# KiCad board reg.kicad_pcb (continued)
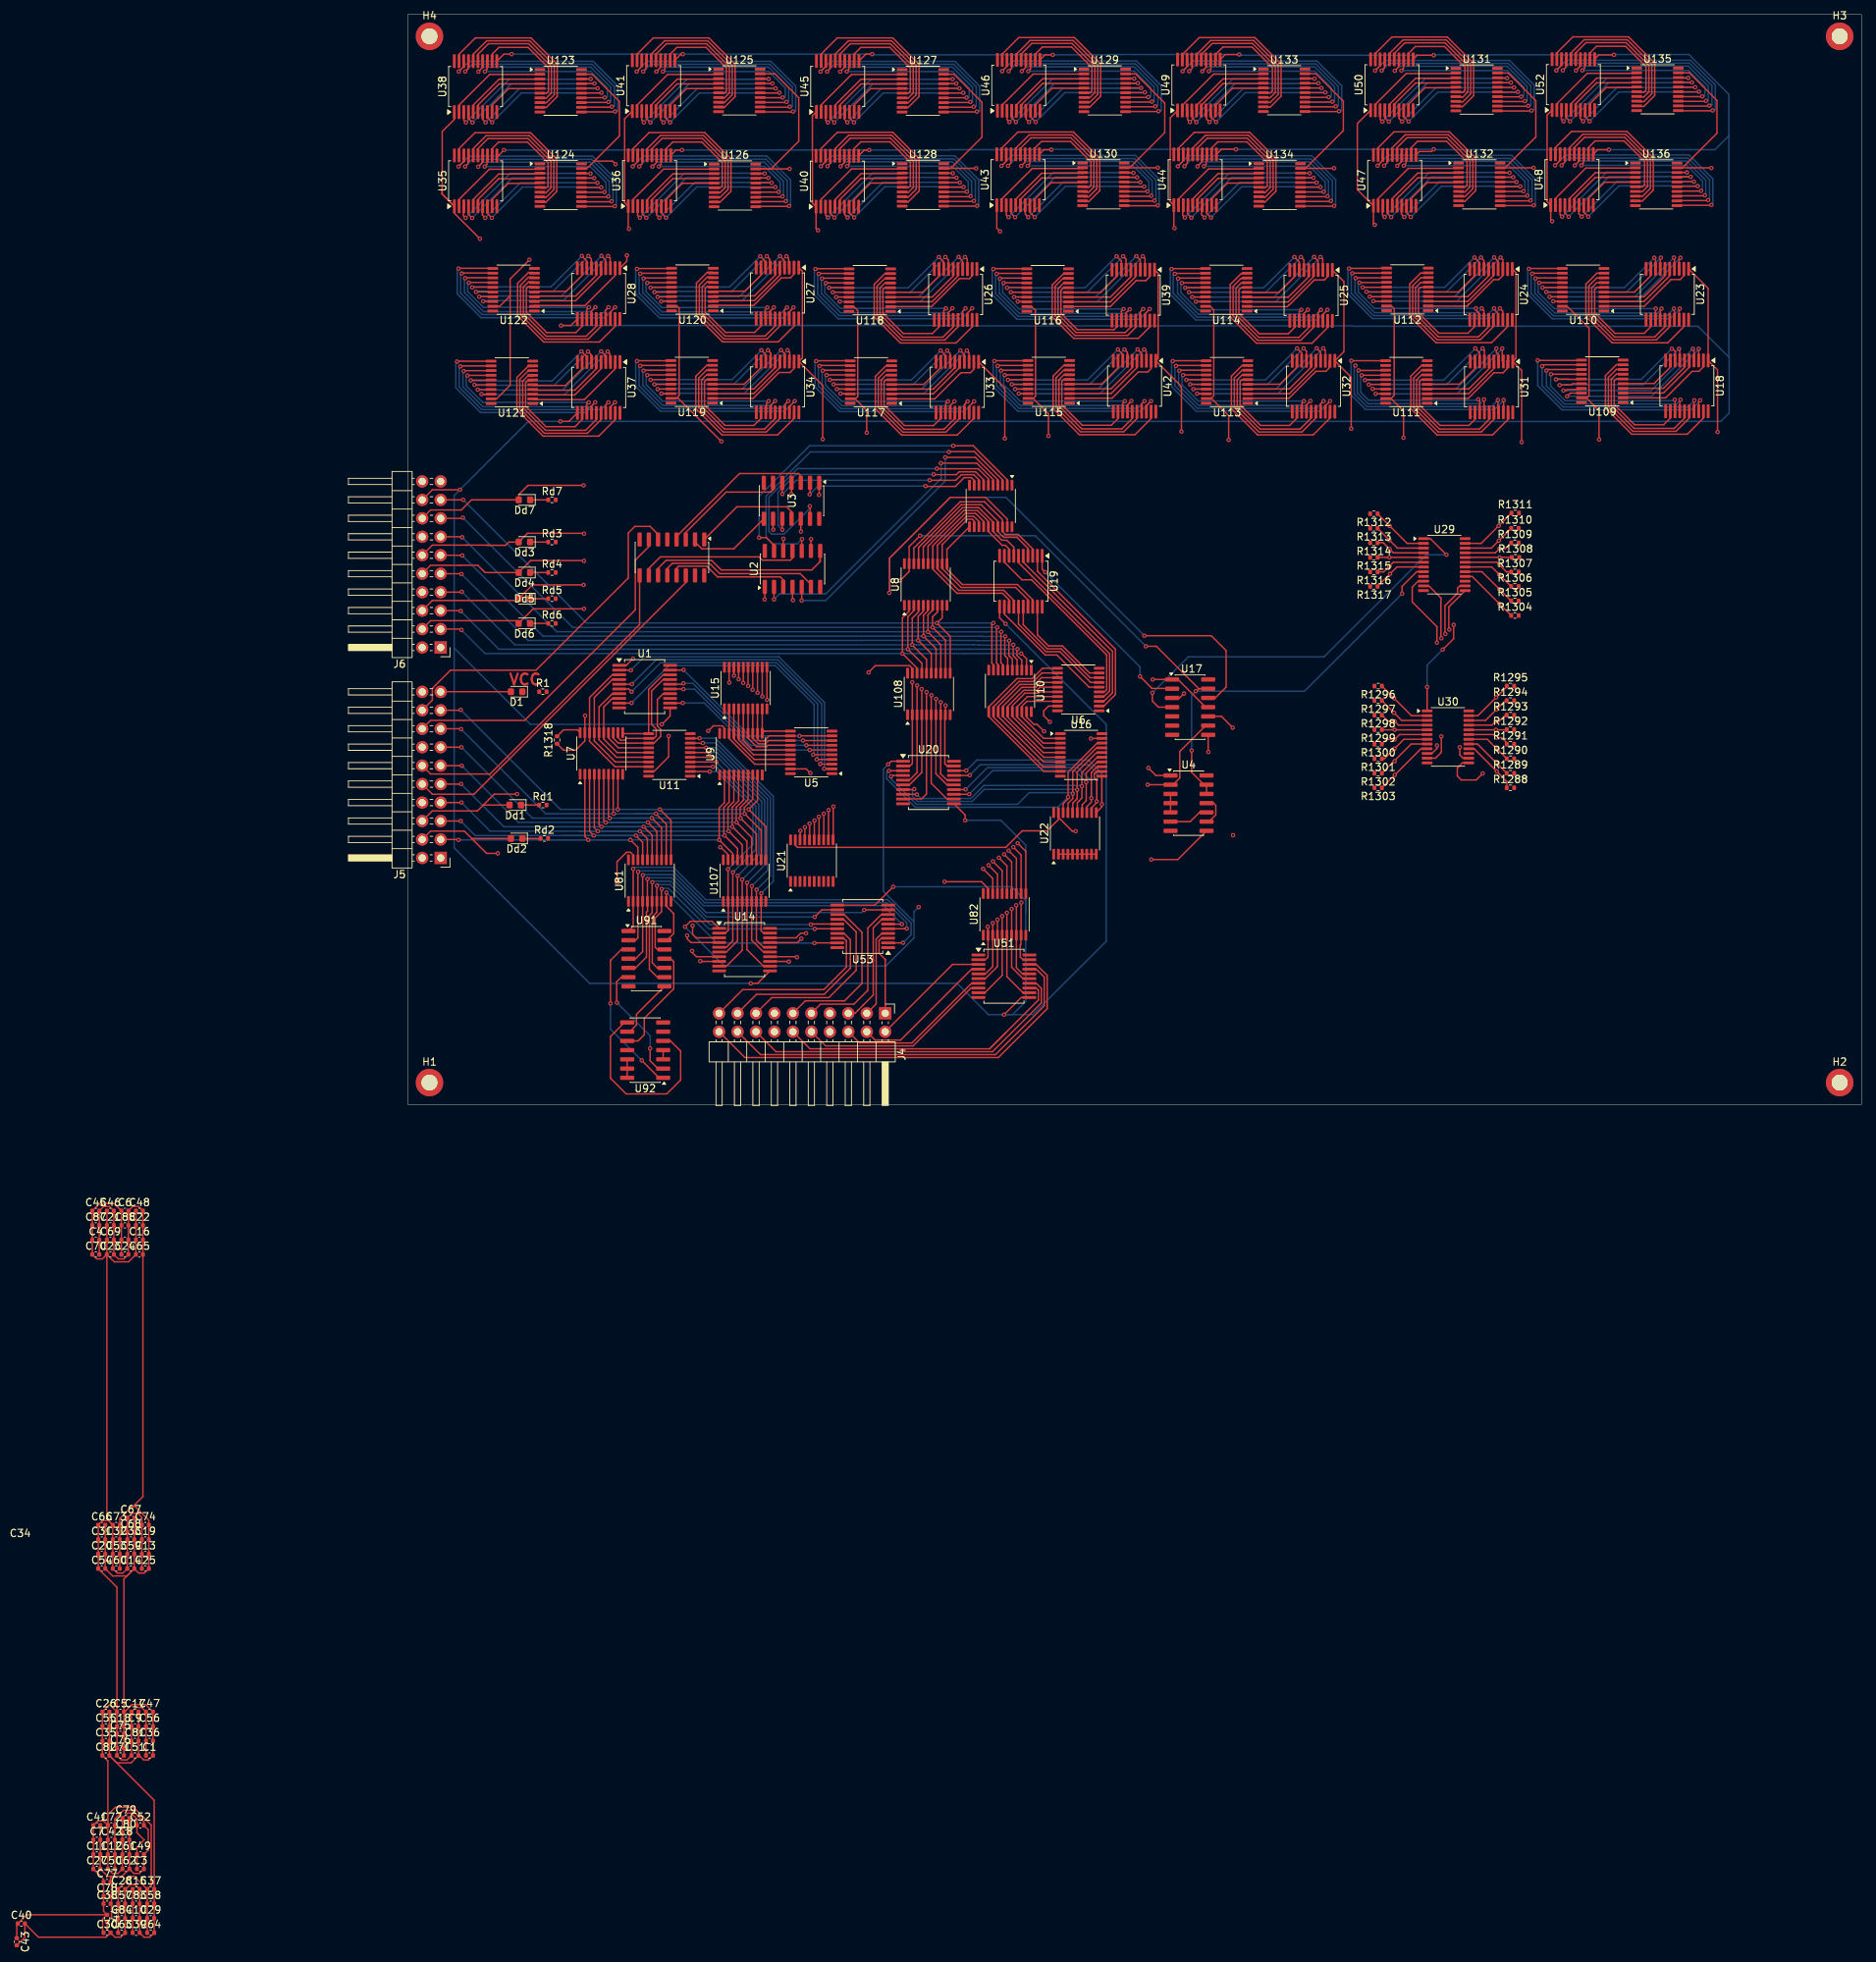
[diagram p0: board, top side]
## Footprints (pads in the part's own frame, mm; a bottom-side part is the same pattern mirrored in y, then rotated)
C_0402_1005Metric
  rrect 0.56x0.62 smd: 1(-0.48,0) 2(0.48,0)
D_0603_1608Metric
  rrect 0.875x0.95 smd: 1(-0.787,0) 2(0.787,0)
LED_0603_1608Metric
  rrect 0.875x0.95 smd: 1(-0.787,0) 2(0.787,0)
MountingHole_2.2mm_M2_DIN965_Pad
  round 3.8 hole 2.2: 1(0,0)
PinHeader_2x10_P2.54mm_Horizontal
  rect 1.7x1.7 hole 1: 1(0,0)
  round 1.7 hole 1: 2(2.54,0) 3(0,-2.54) 4(2.54,-2.54) 5(0,-5.08) 6(2.54,-5.08) 7(0,-7.62) 8(2.54,-7.62) 9(0,-10.16) 10(2.54,-10.16) 11(0,-12.7) 12(2.54,-12.7) 13(0,-15.24) 14(2.54,-15.24) 15(0,-17.78) 16(2.54,-17.78) 17(0,-20.32) 18(2.54,-20.32) 19(0,-22.86) 20(2.54,-22.86)
R_0402_1005Metric
  rrect 0.54x0.64 smd: 1(-0.51,0) 2(0.51,0)
SO-14_3.9x8.65mm_P1.27mm
  rrect 1.95x0.6 smd: 1(-2.475,3.81) 2(-2.475,2.54) 3(-2.475,1.27) 4(-2.475,0) 5(-2.475,-1.27) 6(-2.475,-2.54) 7(-2.475,-3.81) 8(2.475,-3.81) 9(2.475,-2.54) 10(2.475,-1.27) 11(2.475,0) 12(2.475,1.27) 13(2.475,2.54) 14(2.475,3.81)
SOIC-16_3.9x9.9mm_P1.27mm
  rrect 1.95x0.6 smd: 1(-2.475,4.445) 2(-2.475,3.175) 3(-2.475,1.905) 4(-2.475,0.635) 5(-2.475,-0.635) 6(-2.475,-1.905) 7(-2.475,-3.175) 8(-2.475,-4.445) 9(2.475,-4.445) 10(2.475,-3.175) 11(2.475,-1.905) 12(2.475,-0.635) 13(2.475,0.635) 14(2.475,1.905) 15(2.475,3.175) 16(2.475,4.445)
SSOP-20_5.3x7.2mm_P0.65mm
  rrect 1.9x0.4 smd: 1(-3.5,2.925) 2(-3.5,2.275) 3(-3.5,1.625) 4(-3.5,0.975) 5(-3.5,0.325) 6(-3.5,-0.325) 7(-3.5,-0.975) 8(-3.5,-1.625) 9(-3.5,-2.275) 10(-3.5,-2.925) 11(3.5,-2.925) 12(3.5,-2.275) 13(3.5,-1.625) 14(3.5,-0.975) 15(3.5,-0.325) 16(3.5,0.325) 17(3.5,0.975) 18(3.5,1.625) 19(3.5,2.275) 20(3.5,2.925)
TSSOP-20_4.4x6.5mm_P0.65mm
  rrect 1.475x0.4 smd: 1(-2.862,2.925) 2(-2.862,2.275) 3(-2.862,1.625) 4(-2.862,0.975) 5(-2.862,0.325) 6(-2.862,-0.325) 7(-2.862,-0.975) 8(-2.862,-1.625) 9(-2.862,-2.275) 10(-2.862,-2.925) 11(2.862,-2.925) 12(2.862,-2.275) 13(2.862,-1.625) 14(2.862,-0.975) 15(2.862,-0.325) 16(2.862,0.325) 17(2.862,0.975) 18(2.862,1.625) 19(2.862,2.275) 20(2.862,2.925)
TSSOP-24_4.4x7.8mm_P0.65mm
  rrect 1.475x0.4 smd: 1(-2.862,3.575) 2(-2.862,2.925) 3(-2.862,2.275) 4(-2.862,1.625) 5(-2.862,0.975) 6(-2.862,0.325) 7(-2.862,-0.325) 8(-2.862,-0.975) 9(-2.862,-1.625) 10(-2.862,-2.275) 11(-2.862,-2.925) 12(-2.862,-3.575) 13(2.862,-3.575) 14(2.862,-2.925) 15(2.862,-2.275) 16(2.862,-1.625) 17(2.862,-0.975) 18(2.862,-0.325) 19(2.862,0.325) 20(2.862,0.975) 21(2.862,1.625) 22(2.862,2.275) 23(2.862,2.925) 24(2.862,3.575)

## Nets
+5V: C1.1 C3.1 C4.1 C5.1 C6.1 C7.1 C8.1 C9.1 C10.1 C11.1 C12.1 C13.1 C14.1 C15.1 C16.1 C17.1 C18.1 C19.1 C20.1 C21.1 C22.1 C23.1 C24.1 C25.1 C26.1 C27.1 C28.1 C29.1 C30.1 C31.1 C32.1 C33.1 C34.1 C35.1 C36.1 C37.1 C38.1 C39.1 C40.1 C41.1 C42.1 C43.1 C44.1 C45.1 C46.1 C47.1 C48.1 C49.1 C50.1 C51.1 C52.1 C53.1 C54.1 C55.1 C56.1 C57.1 C58.1 C59.1 C60.1 C61.1 C62.1 C63.1 C64.1 C65.1 C66.1 C67.1 C68.1 C69.1 C70.1 C71.1 C72.1 C73.1 C74.1 C75.1 C76.1 C77.1 C78.1 C79.1 C80.1 C81.1 C82.1 C83.1 C84.1 C87.1 C88.1 D1.2 J5.1 J5.19 J6.1 J6.19 R1288.2 R1289.2 R1290.2 R1291.2 R1292.2 R1293.2 R1294.2 R1295.2 R1296.2 R1297.2 R1298.2 R1299.2 R1300.2 R1301.2 R1302.2 R1303.2 R1304.2 R1305.2 R1306.2 R1307.2 R1308.2 R1309.2 R1310.2 R1311.2 R1312.2 R1313.2 R1314.2 R1315.2 R1316.2 R1317.2 R1318.2 U1.20 U2.14 U3.14 U4.14 U5.1 U5.20 U6.1 U6.20 U7.1 U7.20 U8.1 U8.20 U9.1 U9.20 U10.1 U10.20 U11.1 U11.20 U12.1 U12.20 U14.20 U15.1 U15.20 U16.1 U16.20 U17.5 U17.14 U18.20 U19.20 U20.20 U21.1 U21.20 U22.1 U22.20 U23.20 U24.20 U25.20 U26.20 U27.20 U28.20 U29.15 U29.24 U30.15 U30.24 U31.20 U32.20 U33.20 U34.20 U35.20 U36.20 U37.20 U38.20 U39.20 U40.20 U41.20 U42.20 U43.20 U44.20 U45.20 U46.20 U47.20 U48.20 U49.20 U50.20 U51.20 U52.20 U53.20 U81.1 U81.20 U82.1 U82.20 U85.16 U91.14 U92.12 U92.13 U92.14 U107.1 U107.20 U108.1 U108.20 U109.1 U109.20 U110.1 U110.20 U111.1 U111.20 U112.1 U112.20 U113.1 U113.20 U114.1 U114.20 U115.1 U115.20 U116.1 U116.20 U117.1 U117.20 U118.1 U118.20 U119.1 U119.20 U120.1 U120.20 U121.1 U121.20 U122.1 U122.20 U123.1 U123.20 U124.1 U124.20 U125.1 U125.20 U126.1 U126.20 U127.1 U127.20 U128.1 U128.20 U129.1 U129.20 U130.1 U130.20 U131.1 U131.20 U132.1 U132.20 U133.1 U133.20 U134.1 U134.20 U135.1 U135.20 U136.1 U136.20
GND: C1.2 C3.2 C4.2 C5.2 C6.2 C7.2 C8.2 C9.2 C10.2 C11.2 C12.2 C13.2 C14.2 C15.2 C16.2 C17.2 C18.2 C19.2 C20.2 C21.2 C22.2 C23.2 C24.2 C25.2 C26.2 C27.2 C28.2 C29.2 C30.2 C31.2 C32.2 C33.2 C34.2 C35.2 C36.2 C37.2 C38.2 C39.2 C40.2 C41.2 C42.2 C43.2 C44.2 C45.2 C46.2 C47.2 C48.2 C49.2 C50.2 C51.2 C52.2 C53.2 C54.2 C55.2 C56.2 C57.2 C58.2 C59.2 C60.2 C61.2 C62.2 C63.2 C64.2 C65.2 C66.2 C67.2 C68.2 C69.2 C70.2 C71.2 C72.2 C73.2 C74.2 C75.2 C76.2 C77.2 C78.2 C79.2 C80.2 C81.2 C82.2 C83.2 C84.2 C87.2 C88.2 H1.1 H2.1 H3.1 H4.1 J4.7 J4.8 J4.13 J4.14 J5.2 J5.8 J5.14 J5.20 J6.2 J6.8 J6.14 J6.20 R1.2 Rd1.2 Rd2.2 Rd3.2 Rd4.2 Rd5.2 Rd6.2 Rd7.2 U1.10 U2.7 U3.7 U4.7 U5.10 U6.10 U7.10 U8.10 U9.10 U10.10 U11.10 U12.10 U14.10 U15.10 U16.10 U17.7 U18.10 U19.10 U20.10 U21.2 U21.3 U21.4 U21.5 U21.6 U21.7 U21.8 U21.9 U21.10 U22.2 U22.3 U22.4 U22.5 U22.6 U22.7 U22.8 U22.9 U22.10 U23.10 U24.10 U25.10 U26.10 U27.10 U28.10 U29.12 U30.12 U31.10 U32.10 U33.10 U34.10 U35.10 U36.10 U37.10 U38.10 U39.10 U40.10 U41.10 U42.10 U43.10 U44.10 U45.10 U46.10 U47.10 U48.10 U49.10 U50.10 U51.1 U51.10 U52.10 U53.1 U53.10 U81.10 U82.10 U85.5 U85.8 U91.7 U92.7 U107.10 U108.10 U109.10 U110.10 U111.10 U112.10 U113.10 U114.10 U115.10 U116.10 U117.10 U118.10 U119.10 U120.10 U121.10 U122.10 U123.10 U124.10 U125.10 U126.10 U127.10 U128.10 U129.10 U130.10 U131.10 U132.10 U133.10 U134.10 U135.10 U136.10
/16 bit buffor3/n0E2: U5.19 U6.19 U17.8
/16 bit buffor21/OUT0: U5.18 U9.18 U15.2
/16 bit buffor21/OUT1: U5.17 U9.17 U15.3
/16 bit buffor21/OUT2: U5.16 U9.16 U15.4
/16 bit buffor21/OUT3: U5.15 U9.15 U15.5
/16 bit buffor21/OUT4: U5.14 U9.14 U15.6
/16 bit buffor21/OUT5: U5.13 U9.13 U15.7
/16 bit buffor21/OUT6: U5.12 U9.12 U15.8
/16 bit buffor21/OUT7: U5.11 U9.11 U15.9
/16 bit buffor21/OUT8: U6.18 U10.18 U16.2
/16 bit buffor21/OUT9: U6.17 U10.17 U16.3
/16 bit buffor21/OUT10: U6.16 U10.16 U16.4
/16 bit buffor21/OUT11: U6.15 U10.15 U16.5
/16 bit buffor21/OUT12: U6.14 U10.14 U16.6
/16 bit buffor21/OUT13: U6.13 U10.13 U16.7
/16 bit buffor21/OUT14: U6.12 U10.12 U16.8
/16 bit buffor21/OUT15: U6.11 U10.11 U16.9
/16 bit buffor23/n0E2: U11.19 U12.19 U17.12
/16 bit buffor23/OUT0: U1.3 U7.18 U11.18
/16 bit buffor23/OUT1: U1.4 U7.17 U11.17
/16 bit buffor23/OUT2: U1.7 U7.16 U11.16
/16 bit buffor23/OUT3: U1.8 U7.15 U11.15
/16 bit buffor23/OUT4: U1.13 U7.14 U11.14
/16 bit buffor23/OUT5: U1.14 U7.13 U11.13
/16 bit buffor23/OUT6: U1.17 U7.12 U11.12
/16 bit buffor23/OUT7: U1.18 U7.11 U11.11
/16 bit buffor23/OUT8: U8.18 U12.18 U19.3
/16 bit buffor23/OUT9: U8.17 U12.17 U19.4
/16 bit buffor23/OUT10: U8.16 U12.16 U19.7
/16 bit buffor23/OUT11: U8.15 U12.15 U19.8
/16 bit buffor23/OUT12: U8.14 U12.14 U19.13
/16 bit buffor23/OUT13: U8.13 U12.13 U19.14
/16 bit buffor23/OUT14: U8.12 U12.12 U19.17
/16 bit buffor23/OUT15: U8.11 U12.11 U19.18
/16 bit buffor25/OUT0: U14.3 U15.18 U21.18
/16 bit buffor25/OUT1: U14.4 U15.17 U21.17
/16 bit buffor25/OUT2: U14.7 U15.16 U21.16
/16 bit buffor25/OUT3: U14.8 U15.15 U21.15
/16 bit buffor25/OUT4: U14.13 U15.14 U21.14
/16 bit buffor25/OUT5: U14.14 U15.13 U21.13
/16 bit buffor25/OUT6: U14.17 U15.12 U21.12
/16 bit buffor25/OUT7: U14.18 U15.11 U21.11
/16 bit buffor25/OUT8: U16.18 U20.3 U22.18
/16 bit buffor25/OUT9: U16.17 U20.4 U22.17
/16 bit buffor25/OUT10: U16.16 U20.7 U22.16
/16 bit buffor25/OUT11: U16.15 U20.8 U22.15
/16 bit buffor25/OUT12: U16.14 U20.13 U22.14
/16 bit buffor25/OUT13: U16.13 U20.14 U22.13
/16 bit buffor25/OUT14: U16.12 U20.17 U22.12
/16 bit buffor25/OUT15: U16.11 U20.18 U22.11
/16 bit buffor26/n0E2: U17.10 U21.19 U22.19
/16 bit buffor28/IN_1_0: U18.2 U109.2
/16 bit buffor28/IN_1_1: U18.5 U109.3
/16 bit buffor28/IN_1_2: U18.6 U109.4
/16 bit buffor28/IN_1_3: U18.9 U109.5
/16 bit buffor28/IN_1_4: U18.12 U109.6
/16 bit buffor28/IN_1_5: U18.15 U109.7
/16 bit buffor28/IN_1_6: U18.16 U109.8
/16 bit buffor28/IN_1_7: U18.19 U109.9
/16 bit buffor28/IN_1_8: U23.2 U110.2
/16 bit buffor28/IN_1_9: U23.5 U110.3
/16 bit buffor28/IN_1_10: U23.6 U110.4
/16 bit buffor28/IN_1_11: U23.9 U110.5
/16 bit buffor28/IN_1_12: U23.12 U110.6
/16 bit buffor28/IN_1_13: U23.15 U110.7
/16 bit buffor28/IN_1_14: U23.16 U110.8
/16 bit buffor28/IN_1_15: U23.19 U110.9
/16 bit buffor29/IN_1_0: U31.2 U111.2
/16 bit buffor29/IN_1_1: U31.5 U111.3
/16 bit buffor29/IN_1_2: U31.6 U111.4
/16 bit buffor29/IN_1_3: U31.9 U111.5
/16 bit buffor29/IN_1_4: U31.12 U111.6
/16 bit buffor29/IN_1_5: U31.15 U111.7
/16 bit buffor29/IN_1_6: U31.16 U111.8
/16 bit buffor29/IN_1_7: U31.19 U111.9
/16 bit buffor29/IN_1_8: U24.2 U112.2
/16 bit buffor29/IN_1_9: U24.5 U112.3
/16 bit buffor29/IN_1_10: U24.6 U112.4
/16 bit buffor29/IN_1_11: U24.9 U112.5
/16 bit buffor29/IN_1_12: U24.12 U112.6
/16 bit buffor29/IN_1_13: U24.15 U112.7
/16 bit buffor29/IN_1_14: U24.16 U112.8
/16 bit buffor29/IN_1_15: U24.19 U112.9
/16 bit buffor30/IN_1_0: U32.2 U113.2
/16 bit buffor30/IN_1_1: U32.5 U113.3
/16 bit buffor30/IN_1_2: U32.6 U113.4
/16 bit buffor30/IN_1_3: U32.9 U113.5
/16 bit buffor30/IN_1_4: U32.12 U113.6
/16 bit buffor30/IN_1_5: U32.15 U113.7
/16 bit buffor30/IN_1_6: U32.16 U113.8
/16 bit buffor30/IN_1_7: U32.19 U113.9
/16 bit buffor30/IN_1_8: U25.2 U114.2
/16 bit buffor30/IN_1_9: U25.5 U114.3
/16 bit buffor30/IN_1_10: U25.6 U114.4
/16 bit buffor30/IN_1_11: U25.9 U114.5
/16 bit buffor30/IN_1_12: U25.12 U114.6
/16 bit buffor30/IN_1_13: U25.15 U114.7
/16 bit buffor30/IN_1_14: U25.16 U114.8
/16 bit buffor30/IN_1_15: U25.19 U114.9
/16 bit buffor31/IN_1_0: U42.2 U115.2
/16 bit buffor31/IN_1_1: U42.5 U115.3
/16 bit buffor31/IN_1_2: U42.6 U115.4
/16 bit buffor31/IN_1_3: U42.9 U115.5
/16 bit buffor31/IN_1_4: U42.12 U115.6
/16 bit buffor31/IN_1_5: U42.15 U115.7
/16 bit buffor31/IN_1_6: U42.16 U115.8
/16 bit buffor31/IN_1_7: U42.19 U115.9
/16 bit buffor31/IN_1_8: U39.2 U116.2
/16 bit buffor31/IN_1_9: U39.5 U116.3
/16 bit buffor31/IN_1_10: U39.6 U116.4
/16 bit buffor31/IN_1_11: U39.9 U116.5
/16 bit buffor31/IN_1_12: U39.12 U116.6
/16 bit buffor31/IN_1_13: U39.15 U116.7
/16 bit buffor31/IN_1_14: U39.16 U116.8
/16 bit buffor31/IN_1_15: U39.19 U116.9
/16 bit buffor32/IN_1_0: U33.2 U117.2
/16 bit buffor32/IN_1_1: U33.5 U117.3
/16 bit buffor32/IN_1_2: U33.6 U117.4
/16 bit buffor32/IN_1_3: U33.9 U117.5
/16 bit buffor32/IN_1_4: U33.12 U117.6
/16 bit buffor32/IN_1_5: U33.15 U117.7
/16 bit buffor32/IN_1_6: U33.16 U117.8
/16 bit buffor32/IN_1_7: U33.19 U117.9
/16 bit buffor32/IN_1_8: U26.2 U118.2
/16 bit buffor32/IN_1_9: U26.5 U118.3
/16 bit buffor32/IN_1_10: U26.6 U118.4
/16 bit buffor32/IN_1_11: U26.9 U118.5
/16 bit buffor32/IN_1_12: U26.12 U118.6
/16 bit buffor32/IN_1_13: U26.15 U118.7
/16 bit buffor32/IN_1_14: U26.16 U118.8
/16 bit buffor32/IN_1_15: U26.19 U118.9
/16 bit buffor33/IN_1_0: U34.2 U119.2
/16 bit buffor33/IN_1_1: U34.5 U119.3
/16 bit buffor33/IN_1_2: U34.6 U119.4
/16 bit buffor33/IN_1_3: U34.9 U119.5
/16 bit buffor33/IN_1_4: U34.12 U119.6
/16 bit buffor33/IN_1_5: U34.15 U119.7
/16 bit buffor33/IN_1_6: U34.16 U119.8
/16 bit buffor33/IN_1_7: U34.19 U119.9
/16 bit buffor33/IN_1_8: U27.2 U120.2
/16 bit buffor33/IN_1_9: U27.5 U120.3
/16 bit buffor33/IN_1_10: U27.6 U120.4
/16 bit buffor33/IN_1_11: U27.9 U120.5
/16 bit buffor33/IN_1_12: U27.12 U120.6
/16 bit buffor33/IN_1_13: U27.15 U120.7
/16 bit buffor33/IN_1_14: U27.16 U120.8
/16 bit buffor33/IN_1_15: U27.19 U120.9
/16 bit buffor34/IN_1_0: U37.2 U121.2
/16 bit buffor34/IN_1_1: U37.5 U121.3
/16 bit buffor34/IN_1_2: U37.6 U121.4
/16 bit buffor34/IN_1_3: U37.9 U121.5
/16 bit buffor34/IN_1_4: U37.12 U121.6
/16 bit buffor34/IN_1_5: U37.15 U121.7
/16 bit buffor34/IN_1_6: U37.16 U121.8
/16 bit buffor34/IN_1_7: U37.19 U121.9
/16 bit buffor34/IN_1_8: U28.2 U122.2
/16 bit buffor34/IN_1_9: U28.5 U122.3
/16 bit buffor34/IN_1_10: U28.6 U122.4
/16 bit buffor34/IN_1_11: U28.9 U122.5
/16 bit buffor34/IN_1_12: U28.12 U122.6
/16 bit buffor34/IN_1_13: U28.15 U122.7
/16 bit buffor34/IN_1_14: U28.16 U122.8
/16 bit buffor34/IN_1_15: U28.19 U122.9
/16 bit buffor35/IN_1_0: U38.2 U123.2
/16 bit buffor35/IN_1_1: U38.5 U123.3
/16 bit buffor35/IN_1_2: U38.6 U123.4
/16 bit buffor35/IN_1_3: U38.9 U123.5
/16 bit buffor35/IN_1_4: U38.12 U123.6
/16 bit buffor35/IN_1_5: U38.15 U123.7
/16 bit buffor35/IN_1_6: U38.16 U123.8
/16 bit buffor35/IN_1_7: U38.19 U123.9
/16 bit buffor35/IN_1_8: U35.2 U124.2
/16 bit buffor35/IN_1_9: U35.5 U124.3
/16 bit buffor35/IN_1_10: U35.6 U124.4
/16 bit buffor35/IN_1_11: U35.9 U124.5
/16 bit buffor35/IN_1_12: U35.12 U124.6
/16 bit buffor35/IN_1_13: U35.15 U124.7
/16 bit buffor35/IN_1_14: U35.16 U124.8
/16 bit buffor35/IN_1_15: U35.19 U124.9
/16 bit buffor36/IN_1_0: U41.2 U125.2
/16 bit buffor36/IN_1_1: U41.5 U125.3
/16 bit buffor36/IN_1_2: U41.6 U125.4
/16 bit buffor36/IN_1_3: U41.9 U125.5
/16 bit buffor36/IN_1_4: U41.12 U125.6
/16 bit buffor36/IN_1_5: U41.15 U125.7
/16 bit buffor36/IN_1_6: U41.16 U125.8
/16 bit buffor36/IN_1_7: U41.19 U125.9
/16 bit buffor36/IN_1_8: U36.2 U126.2
/16 bit buffor36/IN_1_9: U36.5 U126.3
/16 bit buffor36/IN_1_10: U36.6 U126.4
/16 bit buffor36/IN_1_11: U36.9 U126.5
/16 bit buffor36/IN_1_12: U36.12 U126.6
/16 bit buffor36/IN_1_13: U36.15 U126.7
/16 bit buffor36/IN_1_14: U36.16 U126.8
/16 bit buffor36/IN_1_15: U36.19 U126.9
/16 bit buffor37/IN_1_0: U45.2 U127.2
/16 bit buffor37/IN_1_1: U45.5 U127.3
/16 bit buffor37/IN_1_2: U45.6 U127.4
/16 bit buffor37/IN_1_3: U45.9 U127.5
/16 bit buffor37/IN_1_4: U45.12 U127.6
/16 bit buffor37/IN_1_5: U45.15 U127.7
/16 bit buffor37/IN_1_6: U45.16 U127.8
/16 bit buffor37/IN_1_7: U45.19 U127.9
/16 bit buffor37/IN_1_8: U40.2 U128.2
/16 bit buffor37/IN_1_9: U40.5 U128.3
/16 bit buffor37/IN_1_10: U40.6 U128.4
/16 bit buffor37/IN_1_11: U40.9 U128.5
/16 bit buffor37/IN_1_12: U40.12 U128.6
/16 bit buffor37/IN_1_13: U40.15 U128.7
/16 bit buffor37/IN_1_14: U40.16 U128.8
/16 bit buffor37/IN_1_15: U40.19 U128.9
/16 bit buffor38/IN_1_0: U46.2 U129.2
/16 bit buffor38/IN_1_1: U46.5 U129.3
/16 bit buffor38/IN_1_2: U46.6 U129.4
/16 bit buffor38/IN_1_3: U46.9 U129.5
/16 bit buffor38/IN_1_4: U46.12 U129.6
/16 bit buffor38/IN_1_5: U46.15 U129.7
/16 bit buffor38/IN_1_6: U46.16 U129.8
/16 bit buffor38/IN_1_7: U46.19 U129.9
/16 bit buffor38/IN_1_8: U43.2 U130.2
/16 bit buffor38/IN_1_9: U43.5 U130.3
/16 bit buffor38/IN_1_10: U43.6 U130.4
/16 bit buffor38/IN_1_11: U43.9 U130.5
/16 bit buffor38/IN_1_12: U43.12 U130.6
/16 bit buffor38/IN_1_13: U43.15 U130.7
/16 bit buffor38/IN_1_14: U43.16 U130.8
/16 bit buffor38/IN_1_15: U43.19 U130.9
/16 bit buffor39/IN_1_0: U50.2 U131.2
/16 bit buffor39/IN_1_1: U50.5 U131.3
/16 bit buffor39/IN_1_2: U50.6 U131.4
/16 bit buffor39/IN_1_3: U50.9 U131.5
/16 bit buffor39/IN_1_4: U50.12 U131.6
/16 bit buffor39/IN_1_5: U50.15 U131.7
/16 bit buffor39/IN_1_6: U50.16 U131.8
/16 bit buffor39/IN_1_7: U50.19 U131.9
/16 bit buffor39/IN_1_8: U47.2 U132.2
/16 bit buffor39/IN_1_9: U47.5 U132.3
/16 bit buffor39/IN_1_10: U47.6 U132.4
/16 bit buffor39/IN_1_11: U47.9 U132.5
/16 bit buffor39/IN_1_12: U47.12 U132.6
/16 bit buffor39/IN_1_13: U47.15 U132.7
/16 bit buffor39/IN_1_14: U47.16 U132.8
/16 bit buffor39/IN_1_15: U47.19 U132.9
/16 bit buffor40/IN_1_0: U49.2 U133.2
/16 bit buffor40/IN_1_1: U49.5 U133.3
/16 bit buffor40/IN_1_2: U49.6 U133.4
/16 bit buffor40/IN_1_3: U49.9 U133.5
/16 bit buffor40/IN_1_4: U49.12 U133.6
/16 bit buffor40/IN_1_5: U49.15 U133.7
/16 bit buffor40/IN_1_6: U49.16 U133.8
/16 bit buffor40/IN_1_7: U49.19 U133.9
/16 bit buffor40/IN_1_8: U44.2 U134.2
/16 bit buffor40/IN_1_9: U44.5 U134.3
/16 bit buffor40/IN_1_10: U44.6 U134.4
/16 bit buffor40/IN_1_11: U44.9 U134.5
/16 bit buffor40/IN_1_12: U44.12 U134.6
/16 bit buffor40/IN_1_13: U44.15 U134.7
/16 bit buffor40/IN_1_14: U44.16 U134.8
/16 bit buffor40/IN_1_15: U44.19 U134.9
/16 bit buffor41/IN_1_0: U52.2 U135.2
/16 bit buffor41/IN_1_1: U52.5 U135.3
/16 bit buffor41/IN_1_2: U52.6 U135.4
/16 bit buffor41/IN_1_3: U52.9 U135.5
/16 bit buffor41/IN_1_4: U52.12 U135.6
/16 bit buffor41/IN_1_5: U52.15 U135.7
/16 bit buffor41/IN_1_6: U52.16 U135.8
/16 bit buffor41/IN_1_7: U52.19 U135.9
/16 bit buffor41/IN_1_8: U48.2 U136.2
/16 bit buffor41/IN_1_9: U48.5 U136.3
/16 bit buffor41/IN_1_10: U48.6 U136.4
/16 bit buffor41/IN_1_11: U48.9 U136.5
/16 bit buffor41/IN_1_12: U48.12 U136.6
/16 bit buffor41/IN_1_13: U48.15 U136.7
/16 bit buffor41/IN_1_14: U48.16 U136.8
/16 bit buffor41/IN_1_15: U48.19 U136.9
/16 bit register17/nWE: U4.8 U14.1 U20.1
/16 bit register18/nWE: U1.1 U17.2 U19.1
/busy: U92.6
/clk: J6.18 U1.11 U14.11 U18.11 U19.11 U20.11 U23.11 U24.11 U25.11 U26.11 U27.11 U28.11 U31.11 U32.11 U33.11 U34.11 U35.11 U36.11 U37.11 U38.11 U39.11 U40.11 U41.11 U42.11 U43.11 U44.11 U45.11 U46.11 U47.11 U48.11 U49.11 U50.11 U51.11 U52.11 U53.11
/data0: J5.3 U7.2 U9.2 U18.3 U31.3 U32.3 U33.3 U34.3 U37.3 U38.3 U41.3 U42.3 U45.3 U46.3 U49.3 U50.3 U52.3 U81.18 U107.18 U109.18 U111.18 U113.18 U115.18 U117.18 U119.18 U121.18 U123.18 U125.18 U127.18 U129.18 U131.18 U133.18 U135.18
/data1: J5.5 U7.3 U9.3 U18.4 U31.4 U32.4 U33.4 U34.4 U37.4 U38.4 U41.4 U42.4 U45.4 U46.4 U49.4 U50.4 U52.4 U81.17 U107.17 U109.17 U111.17 U113.17 U115.17 U117.17 U119.17 U121.17 U123.17 U125.17 U127.17 U129.17 U131.17 U133.17 U135.17
/data2: J5.7 U7.4 U9.4 U18.7 U31.7 U32.7 U33.7 U34.7 U37.7 U38.7 U41.7 U42.7 U45.7 U46.7 U49.7 U50.7 U52.7 U81.16 U107.16 U109.16 U111.16 U113.16 U115.16 U117.16 U119.16 U121.16 U123.16 U125.16 U127.16 U129.16 U131.16 U133.16 U135.16
/data3: J5.9 U7.5 U9.5 U18.8 U31.8 U32.8 U33.8 U34.8 U37.8 U38.8 U41.8 U42.8 U45.8 U46.8 U49.8 U50.8 U52.8 U81.15 U107.15 U109.15 U111.15 U113.15 U115.15 U117.15 U119.15 U121.15 U123.15 U125.15 U127.15 U129.15 U131.15 U133.15 U135.15
/data4: J5.11 U7.6 U9.6 U18.13 U31.13 U32.13 U33.13 U34.13 U37.13 U38.13 U41.13 U42.13 U45.13 U46.13 U49.13 U50.13 U52.13 U81.14 U107.14 U109.14 U111.14 U113.14 U115.14 U117.14 U119.14 U121.14 U123.14 U125.14 U127.14 U129.14 U131.14 U133.14 U135.14
/data5: J5.13 U7.7 U9.7 U18.14 U31.14 U32.14 U33.14 U34.14 U37.14 U38.14 U41.14 U42.14 U45.14 U46.14 U49.14 U50.14 U52.14 U81.13 U107.13 U109.13 U111.13 U113.13 U115.13 U117.13 U119.13 U121.13 U123.13 U125.13 U127.13 U129.13 U131.13 U133.13 U135.13
/data6: J5.15 U7.8 U9.8 U18.17 U31.17 U32.17 U33.17 U34.17 U37.17 U38.17 U41.17 U42.17 U45.17 U46.17 U49.17 U50.17 U52.17 U81.12 U107.12 U109.12 U111.12 U113.12 U115.12 U117.12 U119.12 U121.12 U123.12 U125.12 U127.12 U129.12 U131.12 U133.12 U135.12
/data7: J5.17 U7.9 U9.9 U18.18 U31.18 U32.18 U33.18 U34.18 U37.18 U38.18 U41.18 U42.18 U45.18 U46.18 U49.18 U50.18 U52.18 U81.11 U107.11 U109.11 U111.11 U113.11 U115.11 U117.11 U119.11 U121.11 U123.11 U125.11 U127.11 U129.11 U131.11 U133.11 U135.11
/data8: J6.3 U8.2 U10.2 U23.3 U24.3 U25.3 U26.3 U27.3 U28.3 U35.3 U36.3 U39.3 U40.3 U43.3 U44.3 U47.3 U48.3 U82.18 U108.18 U110.18 U112.18 U114.18 U116.18 U118.18 U120.18 U122.18 U124.18 U126.18 U128.18 U130.18 U132.18 U134.18 U136.18
/data9: J6.5 U8.3 U10.3 U23.4 U24.4 U25.4 U26.4 U27.4 U28.4 U35.4 U36.4 U39.4 U40.4 U43.4 U44.4 U47.4 U48.4 U82.17 U108.17 U110.17 U112.17 U114.17 U116.17 U118.17 U120.17 U122.17 U124.17 U126.17 U128.17 U130.17 U132.17 U134.17 U136.17
/data10: J6.7 U8.4 U10.4 U23.7 U24.7 U25.7 U26.7 U27.7 U28.7 U35.7 U36.7 U39.7 U40.7 U43.7 U44.7 U47.7 U48.7 U82.16 U108.16 U110.16 U112.16 U114.16 U116.16 U118.16 U120.16 U122.16 U124.16 U126.16 U128.16 U130.16 U132.16 U134.16 U136.16
/data11: J6.9 U8.5 U10.5 U23.8 U24.8 U25.8 U26.8 U27.8 U28.8 U35.8 U36.8 U39.8 U40.8 U43.8 U44.8 U47.8 U48.8 U82.15 U108.15 U110.15 U112.15 U114.15 U116.15 U118.15 U120.15 U122.15 U124.15 U126.15 U128.15 U130.15 U132.15 U134.15 U136.15
/data12: J6.11 U8.6 U10.6 U23.13 U24.13 U25.13 U26.13 U27.13 U28.13 U35.13 U36.13 U39.13 U40.13 U43.13 U44.13 U47.13 U48.13 U82.14 U108.14 U110.14 U112.14 U114.14 U116.14 U118.14 U120.14 U122.14 U124.14 U126.14 U128.14 U130.14 U132.14 U134.14 U136.14
/data13: J6.13 U8.7 U10.7 U23.14 U24.14 U25.14 U26.14 U27.14 U28.14 U35.14 U36.14 U39.14 U40.14 U43.14 U44.14 U47.14 U48.14 U82.13 U108.13 U110.13 U112.13 U114.13 U116.13 U118.13 U120.13 U122.13 U124.13 U126.13 U128.13 U130.13 U132.13 U134.13 U136.13
/data14: J6.15 U8.8 U10.8 U23.17 U24.17 U25.17 U26.17 U27.17 U28.17 U35.17 U36.17 U39.17 U40.17 U43.17 U44.17 U47.17 U48.17 U82.12 U108.12 U110.12 U112.12 U114.12 U116.12 U118.12 U120.12 U122.12 U124.12 U126.12 U128.12 U130.12 U132.12 U134.12 U136.12
/data15: J6.17 U8.9 U10.9 U23.18 U24.18 U25.18 U26.18 U27.18 U28.18 U35.18 U36.18 U39.18 U40.18 U43.18 U44.18 U47.18 U48.18 U82.11 U108.11 U110.11 U112.11 U114.11 U116.11 U118.11 U120.11 U122.11 U124.11 U126.11 U128.11 U130.11 U132.11 U134.11 U136.11
/ID_REG_SEL_0: Dd6.2 J6.4 U29.10 U30.10
/ID_REG_SEL_1: Dd5.2 J6.6 U29.11 U30.11
/ID_REG_SEL_2: Dd4.2 J6.10 U29.14 U30.14
/ID_REG_SEL_3: Dd3.2 J6.12 U29.13 U30.13
/INT: J5.10 U85.14
/Interupt_ID_0: J5.12 U85.9
/Interupt_ID_1: J5.16 U85.7
/Interupt_ID_2: J5.18 U85.6
/IO0: J4.1 U53.3
/IO1: J4.3 U53.4
/IO2: J4.5 U53.7
/IO3: J4.9 U53.8
/IO4: J4.11 U53.13
/IO5: J4.15 U53.14
/IO6: J4.17 U53.17
/IO7: J4.19 U53.18
/IO8: J4.2 U51.3
/IO9: J4.4 U51.4
/IO10: J4.6 U51.7
/IO11: J4.10 U51.8
/IO12: J4.12 U51.13
/IO13: J4.16 U51.14
/IO14: J4.18 U51.17
/IO15: J4.20 U51.18
/mask_restore: Dd2.2 J5.4 U4.2 U9.19 U10.19 U17.9
/mask_save: Dd1.2 J5.6 U4.1 U15.19 U16.19 U17.1 U17.11
/mask_saved0: U1.2 U5.2
/mask_saved1: U1.5 U5.3
/mask_saved2: U1.6 U5.4
/mask_saved3: U1.9 U5.5
/mask_saved4: U1.12 U5.6
/mask_saved5: U1.15 U5.7
/mask_saved6: U1.16 U5.8
/mask_saved7: U1.19 U5.9
/mask_saved8: U6.2 U19.2
/mask_saved9: U6.3 U19.5
/mask_saved10: U6.4 U19.6
/mask_saved11: U6.5 U19.9
/mask_saved12: U6.6 U19.12
/mask_saved13: U6.7 U19.15
/mask_saved14: U6.8 U19.16
/mask_saved15: U6.9 U19.19
/octal_nand/out_0: U2.11 U85.10
/octal_nand/out_1: U2.8 U85.11
/octal_nand/out_2: U2.6 U85.12
/octal_nand/out_3: U2.3 U85.13
/octal_nand/out_4: U3.11 U85.1
/octal_nand/out_5: U3.8 U85.2
/octal_nand/out_6: U3.6 U85.3
/octal_nand/out_7: U3.3 U85.4
/OUT_1_2: R1317.1 U18.1 U23.1 U29.7
/OUT_1_3: R1316.1 U24.1 U29.6 U31.1
/OUT_1_4: R1315.1 U25.1 U29.5 U32.1
/OUT_1_5: R1314.1 U29.4 U39.1 U42.1
/OUT_1_6: R1313.1 U26.1 U29.3 U33.1
/OUT_1_7: R1312.1 U27.1 U29.2 U34.1
/OUT_1_8: R1311.1 U28.1 U29.23 U37.1
/OUT_1_9: R1310.1 U29.22 U35.1 U38.1
/OUT_1_10: R1309.1 U29.21 U36.1 U41.1
/OUT_1_11: R1308.1 U29.20 U40.1 U45.1
/OUT_1_12: R1307.1 U29.19 U43.1 U46.1
/OUT_1_13: R1306.1 U29.18 U44.1 U49.1
/OUT_1_14: R1305.1 U29.17 U47.1 U50.1
/OUT_1_15: R1304.1 U29.16 U48.1 U52.1
/OUT_5_0: U53.2 U81.2 U91.1
/OUT_5_1: U53.5 U81.3 U91.2
/OUT_5_2: U53.6 U81.4 U91.4
/OUT_5_3: U53.9 U81.5 U91.5
/OUT_5_4: U53.12 U81.6 U91.9
/OUT_5_5: U53.15 U81.7 U91.10
/OUT_5_6: U53.16 U81.8 U91.12
/OUT_5_7: U53.19 U81.9 U91.13
/OUT_5_8: U2.12 U51.2 U82.2
/OUT_5_9: U2.9 U51.5 U82.3
/OUT_5_10: U2.4 U51.6 U82.4
/OUT_5_11: U2.1 U51.9 U82.5
/OUT_5_12: U3.12 U51.12 U82.6
/OUT_5_13: U3.9 U51.15 U82.7
/OUT_5_14: U3.4 U51.16 U82.8
/OUT_5_15: U3.1 U51.19 U82.9
/OUT_7_0: R1303.1 U30.9 U81.19 U82.19
/OUT_7_1: R1302.1 U30.8 U107.19 U108.19
/OUT_7_2: R1301.1 U30.7 U109.19 U110.19
/OUT_7_3: R1300.1 U30.6 U111.19 U112.19
/OUT_7_4: R1299.1 U30.5 U113.19 U114.19
/OUT_7_5: R1298.1 U30.4 U115.19 U116.19
/OUT_7_6: R1297.1 U30.3 U117.19 U118.19
/OUT_7_7: R1296.1 U30.2 U119.19 U120.19
/OUT_7_8: R1295.1 U30.23 U121.19 U122.19
/OUT_7_9: R1294.1 U30.22 U123.19 U124.19
/OUT_7_10: R1293.1 U30.21 U125.19 U126.19
/OUT_7_11: R1292.1 U30.20 U127.19 U128.19
/OUT_7_12: R1291.1 U30.19 U129.19 U130.19
/OUT_7_13: R1290.1 U30.18 U133.19 U134.19
/OUT_7_14: R1289.1 U30.17 U131.19 U132.19
/OUT_7_15: R1288.1 U30.16 U135.19 U136.19
/r1_out0: U11.2 U14.2 U107.2
/r1_out1: U11.3 U14.5 U107.3
/r1_out2: U11.4 U14.6 U107.4
/r1_out3: U11.5 U14.9 U107.5
/r1_out4: U11.6 U14.12 U107.6
/r1_out5: U11.7 U14.15 U107.7
/r1_out6: U11.8 U14.16 U107.8
/r1_out7: U11.9 U14.19 U107.9
/r1_out8: U2.13 U12.2 U20.2 U108.2
/r1_out9: U2.10 U12.3 U20.5 U108.3
/r1_out10: U2.5 U12.4 U20.6 U108.4
/r1_out11: U2.2 U12.5 U20.9 U108.5
/r1_out12: U3.13 U12.6 U20.12 U108.6
/r1_out13: U3.10 U12.7 U20.15 U108.7
/r1_out14: U3.5 U12.8 U20.16 U108.8
/r1_out15: U3.2 U12.9 U20.19 U108.9
/r1we: R1318.1 U4.12 U4.13 U7.19 U8.19 U17.13 U29.8
/write_enable: Dd7.2 J6.16 U17.3 U30.1
Net-(D1-K): D1.1 R1.1
Net-(Dd1-K): Dd1.1 Rd1.1
Net-(Dd2-K): Dd2.1 Rd2.1
Net-(Dd3-K): Dd3.1 Rd3.1
Net-(Dd4-K): Dd4.1 Rd4.1
Net-(Dd5-K): Dd5.1 Rd5.1
Net-(Dd6-K): Dd6.1 Rd6.1
Net-(Dd7-K): Dd7.1 Rd7.1
Net-(U4-Pad3): U4.3 U4.4 U4.5
Net-(U4-Pad10): U4.6 U4.10
Net-(U4-Pad11): U4.9 U4.11
Net-(U29-COM): U17.4 U29.1
Net-(U91-Pad3): U91.3 U92.1
Net-(U91-Pad6): U91.6 U92.2
Net-(U91-Pad8): U91.8 U92.9
Net-(U91-Pad11): U91.11 U92.10
Net-(U92-Pad3): U92.3 U92.4
Net-(U92-Pad5): U92.5 U92.8

Pads without a net: U17 6; U29 9; U85 15; U92 11

## Via types
v1: diameter 0.6, hole 0.3, Top to Bottom, 781 vias

## Routing (per net, layer and track width the routed paths; a pad name or vN(x,y) marks a point on that pad's centre or on a via; arc(x,y) is an arc through that point)
+5V: length 286.1
  Top w0.2: C15.1 C39.1 ; C25.1 C74.1 -36.57,-56.83 -37.1,-56.3 -37.96,-56.3 C67.1 C14.1 -39.18,-64.5 -39.96,-64.5 C60.1 C73.1 ; C72.1 -41.25,-90.36 C82.1 C26.1 -41.05,-82.66 -40.95,-82.66 C5.1 ; C72.1 -41.25,-97.78 -40.22,-96.75 -37.72,-96.75 -35.29,-99.18 -35.29,-107.47 C37.1 ; C72.1 -41.86,-98.62 -42.64,-98.62 C41.1 C27.1 -41.84,-106.64 C77.1 -41.84,-111.05 C44.1 ; C72.1 C50.1 -40.64,-105.84 -39.86,-105.84 C62.1 C79.1 -38.55,-97.55 -38.05,-97.55 -37.25,-98.35 C52.1 -37.25,-100.24 -36.26,-101.23 -37.25,-102.22 C3.1 ; C5.1 C71.1 -39.39,-90.22 -38.61,-90.22 C51.1 C17.1 -37.39,-83 -36.61,-83 C47.1 C1.1 ; C5.1 -40,-66.46 C54.1 C66.1 -41.96,-57.28 -41.18,-57.28 C73.1 ; C64.1 C37.1 ; C37.1 -37.61,-106.24 -38.06,-106.24 C28.1 C63.1 ; C73.1 -41.38,-57.08 C23.1 ; C44.1 -52.41,-111.53 C40.1 -53.77,-112.89 C43.1 ; C44.1 -41.97,-112.14 -41.97,-113.88 C30.1 ; R1318.2 21.44,51.55 23.34,51.55 U7.20 ; C23.1 -41.99,-21.26 -42.77,-21.26 C70.1 C45.1 -42.37,-13.64 -40.39,-13.64 C6.1 C24.1 ; C23.1 C46.1 ; C23.1 -40.37,-21.66 -38.39,-21.66 C65.1 C48.1 ; U92.14 U92.12 ; J5.19 4.56,56.8 D1.2
GND: length 278.5
  Top w0.2: -37.8,-55.35 -36.42,-53.97 C65.2 C48.2 -37.03,-14.04 -37.81,-14.04 C6.2 C24.2 -39.03,-21.26 -39.81,-21.26 C23.2 C46.2 -41.03,-14.04 -41.81,-14.04 C45.2 C70.2 ; -37.8,-55.35 -37.48,-55.35 -35.61,-57.23 C74.2 C25.2 -36.22,-64.5 -37,-64.5 C14.2 ; -37.8,-55.35 -37.95,-55.35 -39.61,-57.01 C73.2 C60.2 ; C14.2 -39.04,-65.32 C5.2 ; C14.2 -38.62,-64.9 -40.6,-64.9 C54.2 C66.2 ; C14.2 C67.2 ; C26.2 C82.2 ; C82.2 -40.03,-90.62 -38.05,-90.62 C51.2 ; C82.2 -34.88,-95.78 C37.2 C64.2 -35.49,-114.62 -36.27,-114.62 C39.2 C15.2 -37.49,-107.4 -38.16,-107.4 -38.88,-108.12 C63.2 -39.49,-114.62 -40.27,-114.62 -41.36,-113.53 C44.2 -40.75,-111.88 -40.75,-107.16 C77.2 -40.88,-106.47 -40.65,-106.24 ; C62.2 -37.68,-105.84 -36.9,-105.84 C3.2 C49.2 -35.69,-102.63 -35.69,-99.83 C52.2 -36.29,-98.74 -37.88,-97.15 -39.09,-97.15 -40.29,-98.35 -40.29,-99.55 ; C62.2 -39.3,-106.24 -40.65,-106.24 ; C62.2 C79.2 ; C43.2 -52.67,-114.62 C40.2 -50.8,-114.62 -41.49,-114.62 C30.2 ; 58,10.05 58.05,10 J4.8 ; U22.10 U22.2 ; -40.29,-99.55 C50.2 ; -40.29,-99.55 C72.2 ; -40.65,-106.24 -41.28,-106.24 C27.2 C41.2 ; C17.2 -37.04,-89.51 -36.32,-90.22 -35.67,-90.22 -35.04,-89.59 C47.2 -36.05,-82.6 -37.92,-82.6 -39.04,-83.72 C71.2
/16 bit buffor3/n0E2: length 71.5
  Top w0.2: v1(55.4,45.6) 54.83,46.17 U5.19 ; v1(110.15,48.5) 110.12,48.53 U17.8 110.16,50.9 110.3,50.9 ; v1(88.35,52.65) 87.5,53.5 87.5,54.15 88.17,54.83 U6.19 89.36,54.86 89.36,54.9
  In3.Cu w0.2: v1(110.15,48.5) 107.2,45.55 95.45,45.55 v1(88.35,52.65) 64.6,52.65 57.55,45.6 v1(55.4,45.6)
/16 bit buffor21/OUT0: length 14
  Top w0.2: U5.18 47.76,46.83 44.22,50.36 U9.18 U15.2
/16 bit buffor21/OUT1: length 13.1
  Top w0.2: U5.17 47.68,47.47 44.88,50.28 U9.17 U15.3
/16 bit buffor21/OUT2: length 12.2
  Top w0.2: U15.4 45.53,50.19 47.59,48.12 U5.16
/16 bit buffor21/OUT3: length 11.4
  Top w0.2: U5.15 47.51,48.78 46.17,50.11 U9.15 U15.5
/16 bit buffor21/OUT4: length 10.4
  Top w0.2: U15.6 U9.14 46.83,50.41 48.01,49.22 49.37,49.22 49.57,49.42 U5.14
/16 bit buffor21/OUT5: length 9.7
  Top w0.2: U15.7 U9.13 47.47,50.41 48.26,49.62 49.21,49.62 49.66,50.08 U5.13
/16 bit buffor21/OUT6: length 9.1
  Top w0.2: U15.8 U9.12 48.12,50.33 48.43,50.03 49.04,50.03 49.74,50.72 52.65,50.72
/16 bit buffor21/OUT7: length 7.4
  Top w0.2: U5.11 49.09,51.38 48.78,51.06 U15.9
/16 bit buffor21/OUT8: length 13.1
  Top w0.2: U6.18 85.17,55.47 84.49,54.79 U10.18 84.49,53.39 87.51,50.38 U16.2
/16 bit buffor21/OUT9: length 15
  Top w0.2: U16.3 87.42,49.72 83.84,53.31 U10.17 83.84,54.71 85.26,56.12 U6.17
/16 bit buffor21/OUT10: length 16.9
  Top w0.2: 89.4,56.78 86.92,56.78 86.75,56.6 84.92,56.6 83.19,54.87 U10.16 83.19,53.39 87.51,49.08 89.79,49.08
/16 bit buffor21/OUT11: length 18.7
  Top w0.2: U6.15 87.01,57.42 86.58,57 84.75,57 82.54,54.79 U10.15 82.54,53.31 87.42,48.42 U16.5
/16 bit buffor21/OUT12: length 20.5
  Top w0.2: 89.4,58.08 87.09,58.08 86.42,57.4 84.5,57.4 81.89,54.79 U10.14 81.89,53.39 87.51,47.78 89.79,47.78
/16 bit buffor21/OUT13: length 22.3
  Top w0.2: U6.13 87.17,58.72 86.25,57.8 84.25,57.8 81.24,54.79 U10.13 81.24,53.39 87.51,47.12 U16.7
/16 bit buffor21/OUT14: length 24.2
  Top w0.2: U6.12 87.26,59.38 86.08,58.2 84.08,58.2 80.59,54.71 U10.12 80.59,53.31 87.42,46.47 U16.8
/16 bit buffor21/OUT15: length 26
  Top w0.2: U16.9 87.51,45.83 79.94,53.39 U10.11 79.94,54.72 83.81,58.6 85.92,58.6 87.34,60.03 U6.11
/16 bit buffor23/n0E2: length 143.6
  Top w0.2: v1(35.9,50.7) 35.9,47.84 33.89,45.83 U11.19 ; U17.12 111.1,55.94 112.6,57.44 112.6,62.45 110.55,64.5 v1(101.35,64.5) ; v1(66.25,70.4) 66.3,70.45 66.3,75.2 74.65,83.55 79.49,83.55 82.49,80.56 U12.19
  In3.Cu w0.2: v1(66.25,70.4) 65.15,69.3 63.55,69.3 54.7,60.45 44.94,60.45 35.9,51.41 v1(35.9,50.7)
  Bottom w0.2: v1(101.35,64.5) 82.3,83.55 74.65,83.55 66.3,75.2 66.3,70.45 v1(66.25,70.4)
/16 bit buffor23/OUT0: length 21
  Top w0.2: U1.3 28.15,59.12 25.02,56 U7.18 25.02,49.97 28.52,46.47 U11.18
/16 bit buffor23/OUT1: length 19.1
  Top w0.2: U11.17 28.58,47.12 25.67,50.03 U7.17 25.67,56 28.15,58.47 U1.4
/16 bit buffor23/OUT2: length 15.9
  Top w0.2: U1.7 28.15,56.53 26.33,54.7 U7.16 26.33,50.17 28.73,47.78 33.15,47.78
/16 bit buffor23/OUT3: length 14
  Top w0.2: U11.15 28.83,48.42 26.98,50.28 U7.15 26.98,54.7 28.15,55.88 U1.8
/16 bit buffor23/OUT4: length 6.8
  Top w0.2: 33.15,49.08 28.98,49.08 27.62,50.43 U7.14
/16 bit buffor23/OUT5: length 15.3
  Top w0.2: U1.14 35.15,56.53 34.35,55.73 34.35,52.06 34.8,51.62 34.8,50.64 33.89,49.72 U11.13 28.98,49.72 28.27,50.43 U7.13
/16 bit buffor23/OUT6: length 16
  Top w0.2: U7.12 28.92,50.51 29.31,50.12 29.84,50.12 30.09,50.38 U11.12 33.89,50.38 34.19,50.68 34.19,51.66 33.55,52.3 33.55,56.87 35.15,58.47 U1.17
/16 bit buffor23/OUT7: length 13.5
  Top w0.2: 29.58,51.16 29.71,51.03 U11.11 33.15,57.12 35.15,59.12 U1.18
/16 bit buffor23/OUT8: length 25.7
  Top w0.2: U19.3 85.99,76.45 83.99,78.45 82.21,78.45 81.84,78.83 U12.18 81.84,80.46 79.36,82.94 76,82.94 69.64,76.57 U8.18
/16 bit buffor23/OUT9: length 24.1
  Top w0.2: U19.4 85.34,76.53 83.81,78.05 81.98,78.05 81.19,78.84 U12.17 81.19,80.24 78.89,82.54 76.17,82.54 70.29,76.66 U8.17
/16 bit buffor23/OUT10: length 21.2
  Top w0.2: U8.16 70.94,76.74 76.33,82.14 78.56,82.14 80.54,80.16 U12.16 80.54,78.84 81.73,77.65 82.41,77.65 83.39,76.67 U19.7
/16 bit buffor23/OUT11: length 19.6
  Top w0.2: U19.8 82.74,76.45 82.24,76.95 81.78,76.95 79.89,78.84 U12.15 79.89,80.24 78.39,81.74 76.5,81.74 71.59,76.83 U8.15
/16 bit buffor23/OUT12: length 27.2
  Top w0.2: U12.14 79.24,80.24 78.14,81.34 76.69,81.34 72.24,76.89 U8.14 72.24,73.68 75.56,70.35 81.84,70.35 82.74,69.45 U19.13 ; 82.64,67.92 82.64,68.72
/16 bit buffor23/OUT13: length 24.8
  Top w0.2: U12.13 78.59,80.22 77.87,80.94 76.85,80.94 72.89,76.97 U8.13 72.89,73.68 75.81,70.75 82.01,70.75 83.39,69.37 U19.14
/16 bit buffor23/OUT14: length 24.6
  Top w0.2: U12.12 77.94,80.3 77.7,80.54 77.02,80.54 73.54,77.06 U8.12 73.54,73.76 76.14,71.15 83.64,71.15 85.34,69.45 U19.17
/16 bit buffor23/OUT15: length 21.6
  Top w0.2: U12.11 74.19,76.4 U8.11 74.19,73.67 76.31,71.55 83.89,71.55 85.99,69.45 U19.18
/16 bit buffor25/OUT0: length 55.3
  Top w0.2: v1(39.2,24.6) 39.2,23.4 39.67,22.93 U14.3 ; v1(44.9,59) 44.88,59.03 U15.18 ; 53.99,36.5 53.99,37.63 v1(54.02,37.66)
  In4.Cu w0.2: v1(44.9,59) 44.9,46.78 v1(54.02,37.66) 54.02,33.57 46.2,25.75 40,25.75 39.2,24.95 v1(39.2,24.6)
/16 bit buffor25/OUT1: length 57.7
  Top w0.2: v1(45.53,58.51) 45.53,58.52 U15.17 ; 54.64,36.5 54.64,38.14 v1(54.65,38.15) ; v1(38.45,23.25) 38.45,22.8 38.98,22.28 U14.4
  In4.Cu w0.2: v1(38.45,23.25) 38.55,23.15 38.55,23.35 39.15,23.95 44.96,23.95 54.65,33.64 v1(54.65,38.15) 45.53,47.27 v1(45.53,58.51)
/16 bit buffor25/OUT2: length 58.3
  Top w0.2: 42.85,20.32 39.73,20.32 39.12,20.93 v1(39.12,21.12) ; 55.29,36.5 55.29,38.63 v1(55.28,38.65) ; U15.16 46.17,58.03 v1(46.16,58.01)
  In4.Cu w0.2: v1(39.12,21.12) 39.12,21.78 39.8,22.45 44.03,22.45 55.28,33.7 v1(55.28,38.65) 46.16,47.76 v1(46.16,58.01)
/16 bit buffor25/OUT3: length 57.3
  Top w0.2: U15.15 46.83,57.61 v1(46.84,57.59) ; 55.94,36.5 55.94,39.05 v1(55.96,39.06) ; v1(40.25,19.72) 40.42,19.72 40.48,19.68 U14.8
  In4.Cu w0.2: v1(46.84,57.59) 46.84,48.18 v1(55.96,39.06) 55.96,33.81 43.05,20.9 40.75,20.9 40.25,20.4 v1(40.25,19.72)
